# Altium PCB PCB.PcbDoc (part 2 of 4)
Units mm, origin at the board's own origin, x right, y up, seen from the top; angles counter-clockwise.
Board outline 90.6 x 67.8 mm, 6 copper layers (Component Side, GND, Inner Layer 1, V+, V-, Bottom Side), stack 1.613 mm thick; 412 components, 238 nets, 1293 pads, 391 vias.
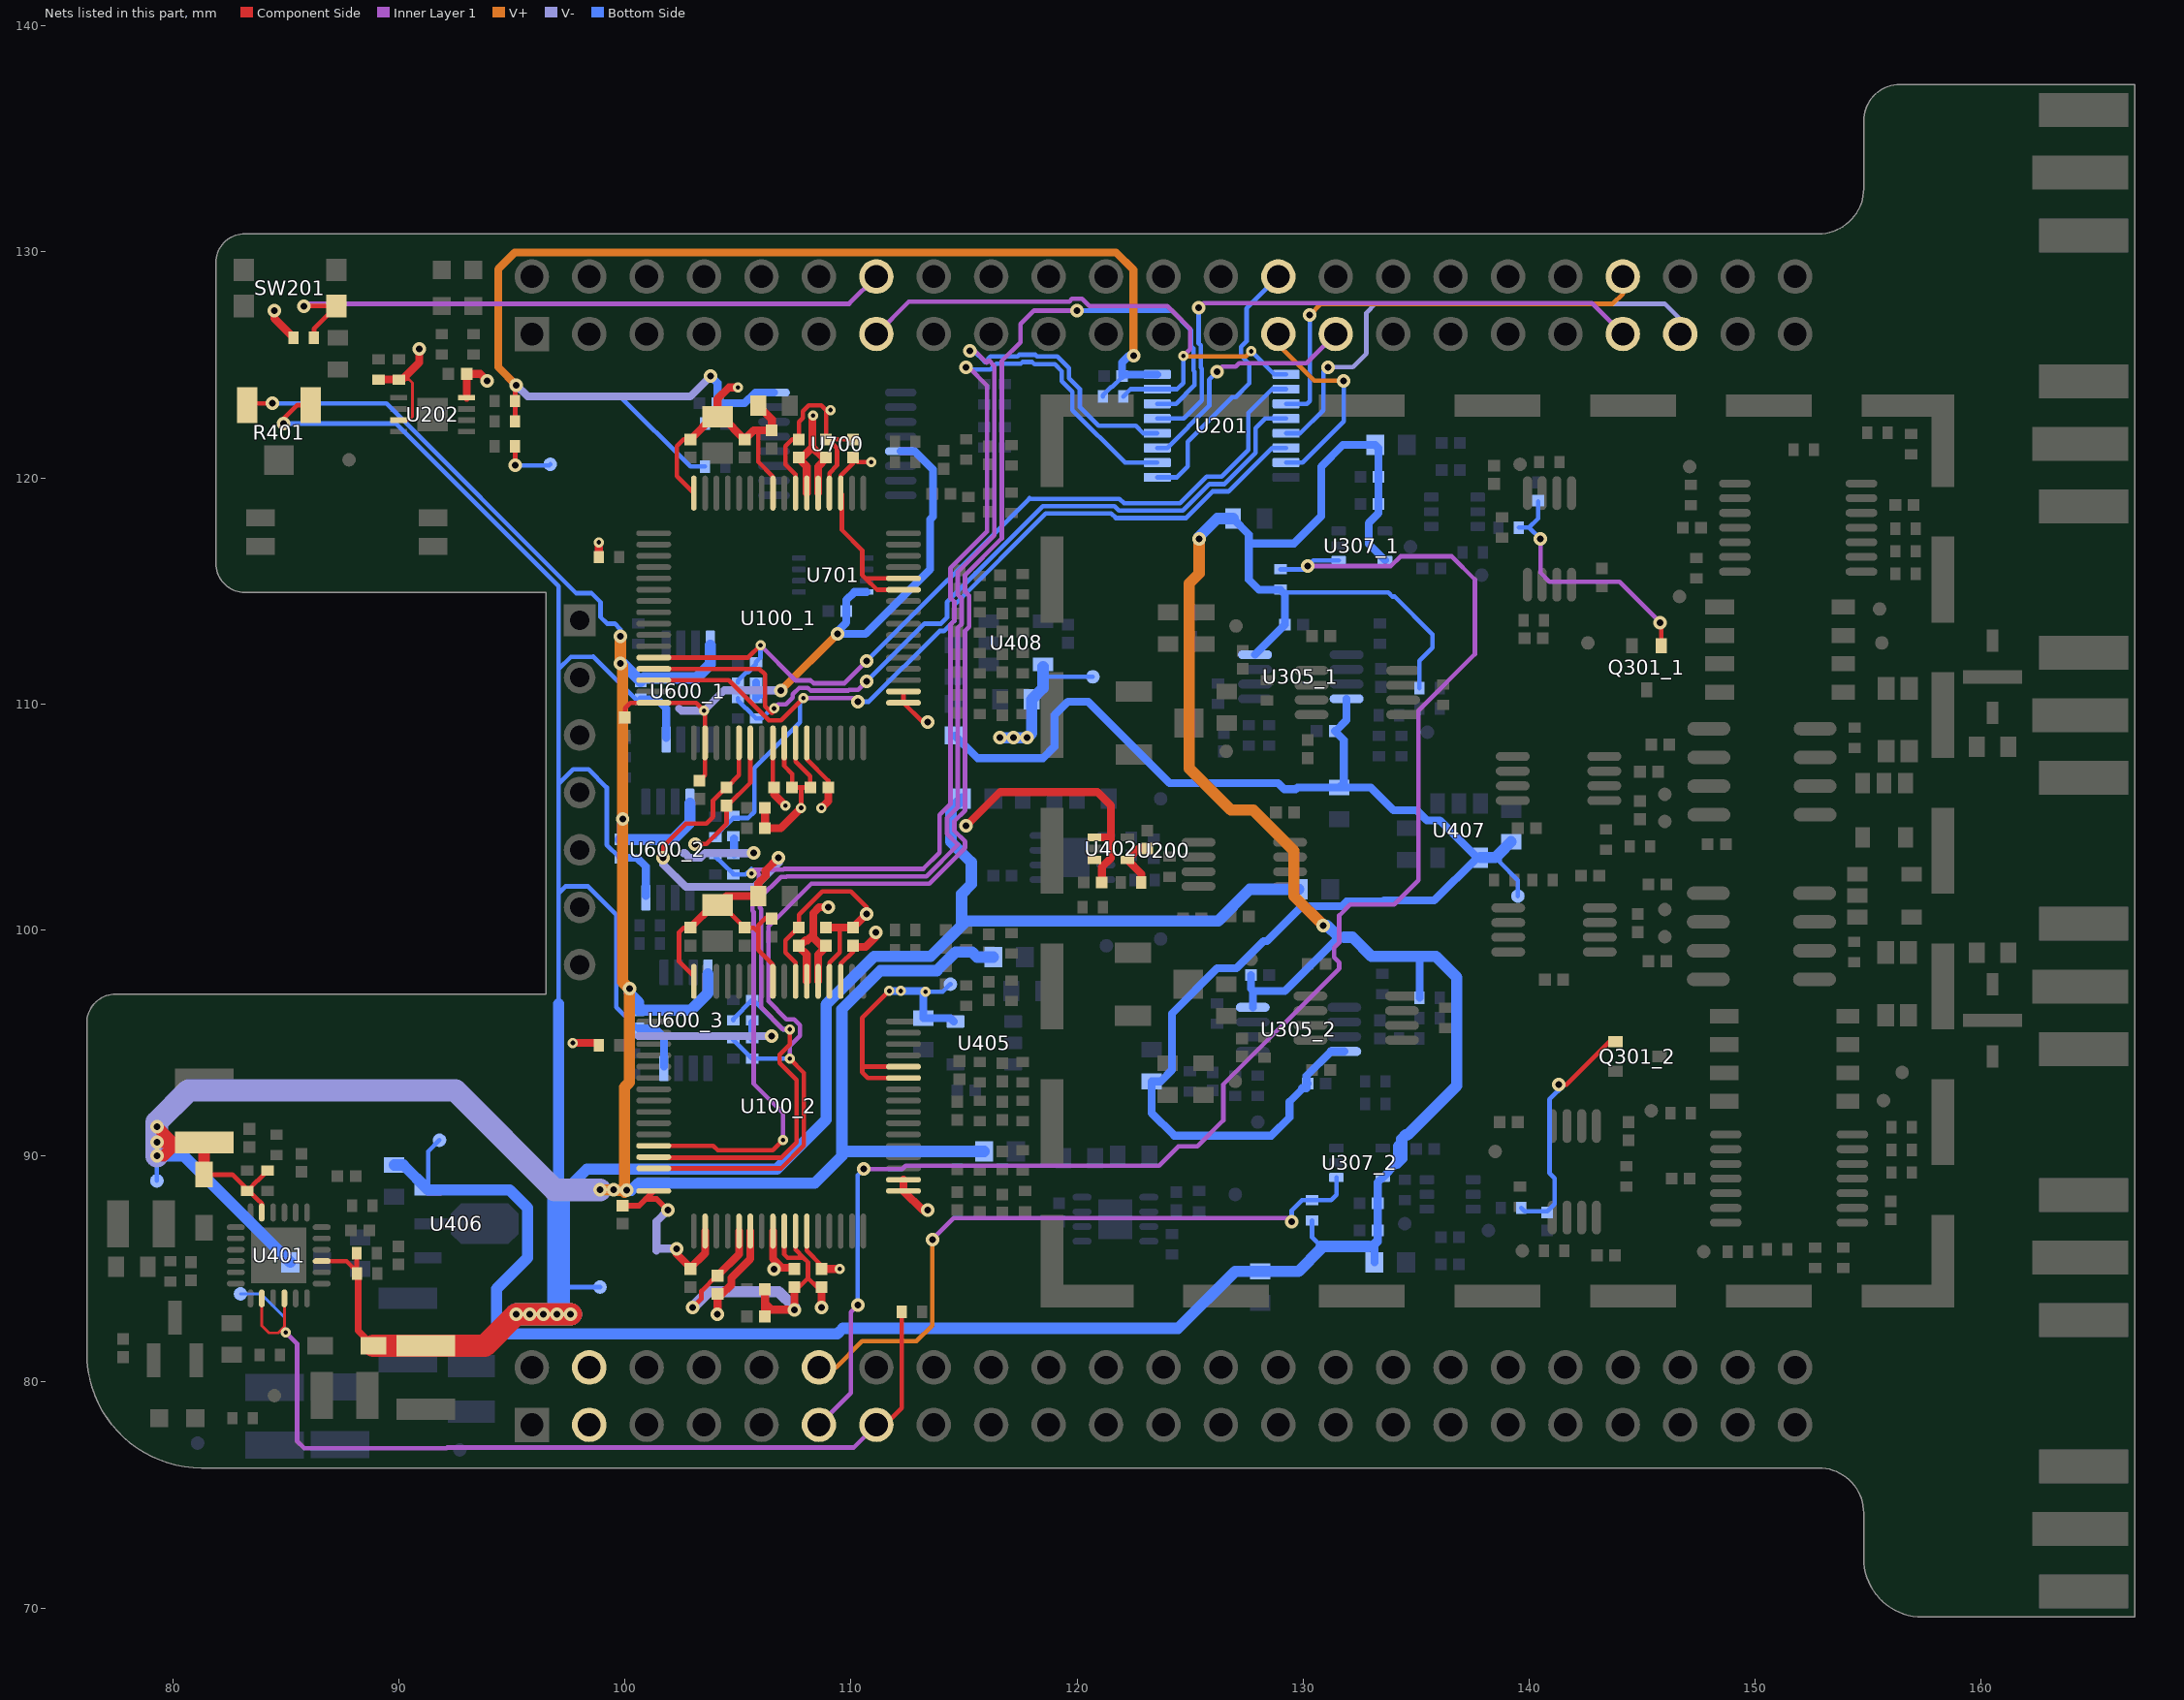
[diagram p6: the nets of this part, all layers, seen from the top]

## Footprints (in the part's own frame and the unit in brackets; to place one, negate y for a bottom-side part, rotate by r counter-clockwise, add the part's x,y. Pads: shape width x height; smd on the part's side, far side on the other; paste and mask are expansions set on the pad) (continued)
DRB8-1750X1500TP [mm] "SON, 8-Leads, Body 3x3mm, Pitch 0.65mm, Thermal Pad 1.75x1.5mm, TI Recommended"
  oval 0.85x0.3 smd paste-0.025 mask+0.07: 1(-1.475,0.975) 2(-1.475,0.325) 3(-1.475,-0.325) 4(-1.475,-0.975) 5(1.475,-0.975) 6(1.475,-0.325) 7(1.475,0.325) 8(1.475,0.975)
  rect 1.5x1.75 smd paste-0.65 mask+0.07: 9(0,0)
  Component Side region: -0.465,-1.9 -0.465,-0.875 -0.75,-0.875 -0.75,0.875 -0.465,0.875 -0.465,1.9 -0.185,1.9 -0.185,0.875 0.185,0.875 0.185,1.9 0.465,1.9 0.465,0.875 0.75,0.875 0.75,-0.875 0.465,-0.875 0.465,-1.9 0.185,-1.9 0.185,-0.875 -0.185,-0.875 -0.185,-1.9
  silkscreen extent -2.17,-1.73 1.73,1.77, body extent -1.57,-1.57 1.58,1.58, height 1
INDC0603(1608)_L [mm] "Chip Inductor, 0603(1608), IPC High Density"
  rect 0.8x0.9 smd: 1(-0.7,0) 2(0.7,0)
  silkscreen extent -0.13,-0.5 0.13,0.5, body extent -0.9,-0.5 0.9,0.5, height 0.8
INDC2520X10L [mm] "Chip Inductor, 2-Leads, Body 2.50x2.00mm, IPC High Density"
  rect 0.98x2.08 smd: 1(-1.01,0) 2(1.01,0)
  silkscreen extent -0.15,-0.94 0.15,0.94, body extent -1.33,-1.07 1.32,1.08, height 1
INF-PG-SOT-323_L [mm] "SOT3, 3-Leads, Body 2x1.25mm, Pitch 0.65mm, IPC High Density"
  rect 0.65x0.5 smd: 1(-0.975,0.65) 2(-0.975,-0.65) 3(0.975,0)
  silkscreen extent -1.1,-1.1 0.67,1.58, body extent -0.67,-1.1 0.67,1.1, height 1
"KRM 2 Series" [mm] "Tactile Switch SPST-NO Top Actuated Surface Mount"
  rect 0.9x1 smd: 1(-2.05,0.8) 2(2.05,0.8) 3(-2.05,-0.8) 4(2.05,-0.8)
  silkscreen extent -1.1,-1.5 1.1,1.5, body extent -2.3,-1.5 2.3,1.5, height 2.11
LT-UF-24_L [mm] "QFN, 24-Leads, Body 4x4mm, Pitch 0.5mm, Thermal Pad 2.45x2.45mm, IPC High Density"
  oval 0.8x0.25 smd: 1(-1.9,1.25) 2(-1.9,0.75) 3(-1.9,0.25) 4(-1.9,-0.25) 5(-1.9,-0.75) 6(-1.9,-1.25) 13(1.9,-1.25) 14(1.9,-0.75) 15(1.9,-0.25) 16(1.9,0.25) 17(1.9,0.75) 18(1.9,1.25)
  oval 0.25x0.8 smd: 7(-1.25,-1.9) 8(-0.75,-1.9) 9(-0.25,-1.9) 10(0.25,-1.9) 11(0.75,-1.9) 12(1.25,-1.9) 19(1.25,1.9) 20(0.75,1.9) 21(0.25,1.9) 22(-0.25,1.9) 23(-0.75,1.9) 24(-1.25,1.9)
  rect 2.45x2.45 smd: 25(0,0)
  silkscreen extent -2.71,-2.2 2.2,2.2, body extent -2.05,-2.05 2.05,2.05, height 0.8
M08A_L [mm] "SOIC, 8-Leads, Body 4.9x3.9mm, Pitch 1.27mm, IPC High Density"
  oval 1.9x0.6 smd: 1(-2.35,1.905) 2(-2.35,0.635) 3(-2.35,-0.635) 4(-2.35,-1.905) 5(2.35,-1.905) 6(2.35,-0.635) 7(2.35,0.635) 8(2.35,1.905)
  silkscreen extent -2.48,-2.5 1,2.88, body extent -2,-2.5 2,2.5, height 1.75
Pad-0.6mm [mm] "SMT Test Pad"
  round 0.6 smd paste-5: 1(0,0)
PowerPAK_SO-8_V [mm] "PowerPAK SO-8, 8-Leads, Body 6.15x5.15mm, Pitch 1.25mm"
  rect 1.27x0.66 smd: 1(-2.67,1.88) 2(-2.67,0.627) 3(-2.67,-0.627) 4(-2.67,-1.88)
  rect 1.02x0.66 smd: 5(2.795,-1.88) 6(2.795,-0.627) 7(2.795,0.627) 8(2.795,1.88)
  Component Side region: -1.215,-1.955 2.595,-1.955 2.595,1.955 -1.215,1.955
  silkscreen extent -3.97,-2.58 1.61,2.57, body extent -3.07,-2.57 3.08,2.58, height 1.04
PW0016A_L [mm] "SOP, 16-Leads, Body 5.1x4.5mm, Pitch 0.65mm, IPC High Density"
  rrect25% 1.2x0.4 smd: 1(-2.85,2.275) 2(-2.85,1.625) 3(-2.85,0.975) 4(-2.85,0.325) 5(-2.85,-0.325) 6(-2.85,-0.975) 7(-2.85,-1.625) 8(-2.85,-2.275) 9(2.85,-2.275) 10(2.85,-1.625) 11(2.85,-0.975) 12(2.85,-0.325) 13(2.85,0.325) 14(2.85,0.975) 15(2.85,1.625) 16(2.85,2.275)
  silkscreen extent -4.13,-2.55 1.85,2.55, body extent -3.21,-2.5 3.21,2.5, height 1
QFP50P1000X1000X120_HS-64L [mm] "QFP, 64-Leads, Body 10x10mm, Pitch 0.5mm, IPC High Density"
  oval 1.55x0.25 smd: 1(-5.525,3.75) 2(-5.525,3.25) 3(-5.525,2.75) 4(-5.525,2.25) 5(-5.525,1.75) 6(-5.525,1.25) 7(-5.525,0.75) 8(-5.525,0.25) 9(-5.525,-0.25) 10(-5.525,-0.75) 11(-5.525,-1.25) 12(-5.525,-1.75) 13(-5.525,-2.25) 14(-5.525,-2.75) 15(-5.525,-3.25) 16(-5.525,-3.75) 33(5.525,-3.75) 34(5.525,-3.25) 35(5.525,-2.75) 36(5.525,-2.25) 37(5.525,-1.75) 38(5.525,-1.25) 39(5.525,-0.75) 40(5.525,-0.25) 41(5.525,0.25) 42(5.525,0.75) 43(5.525,1.25) 44(5.525,1.75) 45(5.525,2.25) 46(5.525,2.75) 47(5.525,3.25) 48(5.525,3.75)
  oval 0.25x1.55 smd: 17(-3.75,-5.525) 18(-3.25,-5.525) 19(-2.75,-5.525) 20(-2.25,-5.525) 21(-1.75,-5.525) 22(-1.25,-5.525) 23(-0.75,-5.525) 24(-0.25,-5.525) 25(0.25,-5.525) 26(0.75,-5.525) 27(1.25,-5.525) 28(1.75,-5.525) 29(2.25,-5.525) 30(2.75,-5.525) 31(3.25,-5.525) 32(3.75,-5.525) 49(3.75,5.525) 50(3.25,5.525) 51(2.75,5.525) 52(2.25,5.525) 53(1.75,5.525) 54(1.25,5.525) 55(0.75,5.525) 56(0.25,5.525) 57(-0.25,5.525) 58(-0.75,5.525) 59(-1.25,5.525) 60(-1.75,5.525) 61(-2.25,5.525) 62(-2.75,5.525) 63(-3.25,5.525) 64(-3.75,5.525)
  silkscreen extent -5.65,-4.35 4.35,4.55, body extent -5,-5 5,5, height 1.2
RESC0402(1005)_L [mm] "Chip Resistor, Body 1.0x0.5mm, IPC High Density"
  rect 0.45x0.55 smd: 1(-0.45,0) 2(0.45,0)
  body extent -0.52,-0.27 0.53,0.28, height 0.4
RESC0603(1608)_L [mm] "Chip Resistor, Body 1.6x0.8mm, IPC High Density"
  rect 0.7x0.9 smd: 1(-0.7,0) 2(0.7,0)
  silkscreen extent -0.05,-0.35 0.05,0.35, body extent -0.85,-0.47 0.85,0.47, height 0.6
SOT89_L [mm] "SOT89, 3-Leads, Body 4.5x2.4 mm, Pitch 1.5mm, Lead Span 4.1mm, IPC High Density"
  rect 1.2x0.5 smd: 1(-1.8,1.5) 3(-1.8,-1.5)
  rect 1.6x0.5 smd: 2(-1.6,0)
  oct 3x1.8 smd: 2(0.7,0)
  silkscreen extent -2.07,-2.3 1.3,2.42, body extent -1.3,-2.3 1.29,2.3, height 1.6
SOT-23-TT3_N [mm] "SOT23, 3-Leads, Body 2.9x1.3mm, Pitch 0.95mm, Lead Span 2.4mm, IPC Medium Density"
  rect 1.5x0.6 smd: 1(-0.95,0.95) 2(-0.95,-0.95) 3(0.95,0)
  silkscreen extent -2.12,-1.55 0.7,1.82, body extent -0.7,-1.52 0.7,1.53, height 1.12
TI-DBV5_L [mm] "SOT23, 5-Leads, Body 2.9x1.6mm, Pitch 0.95mm, IPC High Density"
  rect 0.9x0.6 smd: 1(-1.2,0.95) 2(-1.2,0) 3(-1.2,-0.95) 4(1.2,-0.95) 5(1.2,0.95)
  silkscreen extent -1.32,-1.55 0.35,1.92, body extent -0.87,-1.52 0.87,1.53, height 1.45
TI-DRL5_L [mm] "SOT23, 5-Leads, Body 1.6x1.2mm, Pitch 0.5mm, IPC High Density"
  rect 0.6x0.35 smd: 1(-0.725,0.5) 2(-0.725,0) 3(-0.725,-0.5) 4(0.725,-0.5) 5(0.725,0.5)
  silkscreen extent -0.85,1.1 -0.6,1.35, body extent -0.65,-0.85 0.65,0.85, height 0.6
TSSOP-16_L [mm] "SOP, 16-Leads, Body 5x4.4mm, Pitch 0.65mm, IPC High Density"
  oval 1.4x0.35 smd: 1(-2.8,2.275) 2(-2.8,1.625) 3(-2.8,0.975) 4(-2.8,0.325) 5(-2.8,-0.325) 6(-2.8,-0.975) 7(-2.8,-1.625) 8(-2.8,-2.275) 9(2.8,-2.275) 10(2.8,-1.625) 11(2.8,-0.975) 12(2.8,-0.325) 13(2.8,0.325) 14(2.8,0.975) 15(2.8,1.625) 16(2.8,2.275)
  silkscreen extent -2.93,-2.55 1.7,3.12, body extent -2.25,-2.55 2.25,2.55, height 1.2
TSSOP-ST14_L [mm] "TSOP, 14-Leads, Body 5x4.4mm, Pitch 0.65mm, IPC High Density"
  oval 1.4x0.35 smd: 1(-2.8,1.95) 2(-2.8,1.3) 3(-2.8,0.65) 4(-2.8,0) 5(-2.8,-0.65) 6(-2.8,-1.3) 7(-2.8,-1.95) 8(2.8,-1.95) 9(2.8,-1.3) 10(2.8,-0.65) 11(2.8,0) 12(2.8,0.65) 13(2.8,1.3) 14(2.8,1.95)
  silkscreen extent -2.93,-2.55 1.7,2.8, body extent -2.25,-2.55 2.25,2.55, height 1.2
TSW-107-07-L-S [mm] "Conn Unshrouded Header HDR 7 POS 2.54mm Solder ST Thru-Hole"
  rect 1.4x1.4 hole 0.86: 1(0,7.62)
  round 1.4 hole 0.86: 2(0,5.08) 3(0,2.54) 4(0,0) 5(0,-2.54) 6(0,-5.08) 7(0,-7.62)
  silkscreen extent -1,-9 1.3,8.9, body extent -1.27,-9.02 1.27,8.89, height 8.38
UDFN-MU8 [mm] "SON, 8-Leads, Body 2x3mm, Pitch 0.5mm, Microchip Recommended"
  rect 0.75x0.25 smd: 1(-1.5,0.75) 2(-1.5,0.25) 3(-1.5,-0.25) 4(-1.5,-0.75) 5(1.5,-0.75) 6(1.5,-0.25) 7(1.5,0.25) 8(1.5,0.75)
  rect 1.36x1.46 smd: 9(0,0)
  silkscreen extent -2.45,0.75 -2.35,0.85, body extent -1.52,-1.02 1.52,1.02, height 0.55
WSK1206#1 [mm] "Vishay 4-pad 1206 Resistor"
  rect 1x0.762 smd: 1(-1.389,0.508) 2(1.389,0.508) 3(-1.389,-0.508) 4(1.389,-0.508)
  silkscreen extent -0.63,-0.89 0.64,0.89, body extent -1.6,-0.8 1.6,0.8, height 1
WSK1206#2 [mm] "Vishay 4-pad 1206 Resistor"
  rect 1x0.762 smd: 1(-1.389,-0.508) 2(1.389,-0.508) 3(-1.389,0.508) 4(1.389,0.508)
  silkscreen extent -0.63,-0.89 0.64,0.89, body extent -1.6,-0.8 1.6,0.8, height 1
Z5+1_L [mm] "SOT23, 5-Leads, Body 2.9x1.6mm, Pitch 0.95mm, Lead Span 2.8mm, IPC High Density"
  rect 0.9x0.65 smd: 1(-1.2,0.95) 2(-1.2,0) 3(-1.2,-0.95) 4(1.2,-0.95) 5(1.2,0.95)
  silkscreen extent -1.32,-1.5 0.35,1.95, body extent -0.82,-1.5 0.82,1.5, height 1.1

## Part data
C100_1 C100_2 C101_1 C101_2 C102_1 C102_2 C103_1 C103_2 C104_1 C104_2 C105_1 C105_2 C106_1 C106_2 C107_1 C107_2 C124_1 C124_2 C125_1 C125_2 C127_1 C127_2 C409: library part CMP-1034-02120-1, "CAP 1uF 16V ±20% 0402 (1005 Metric) Thickness 0.6mm SMD"
C108_1 C108_2 C109_1 C109_2 C110_1 C110_2 C111_1 C111_2 C113_1 C113_2 C114_1 C114_2 C115_1 C115_2 C116_1 C116_2 C117_1 C117_2 C118_1 C118_2 C120_1 C120_2 C121_1 C121_2 C321_1 C321_2 C324_1 C324_2: library part CMP-1034-01626-1, "CAP 1nF 50V ±5% 0402 (1005 Metric) Thickness 0.6mm SMD"
C122_1 C122_2 C126_1 C126_2 C200 C201 C300_1 C300_2 C301_1 C301_2 C302_1 C302_2 C303_1 C303_2 C304_1 C304_2 C305_1 C305_2 C306_1 C306_2 C307_1 C307_2 C315_1 C315_2 C316_1 C316_2 C320_1 C320_2 C322_1 C322_2 C400 C401 C403 C405 C407 C416 C425 C427 C500_1 C500_2 C501_1 C501_2 C600_1 C600_2 C600_3 C700 C701: library part CMP-1034-02071-1, "CAP 100nF 16V -20% to +80% 0402 (1005 Metric) Thickness 0.6mm SMD"
C123_1 C123_2 C308_1 C308_2 C309_1 C309_2 C317_1 C317_2 C318_1 C318_2 C319_1 C319_2 C402 C406 C417 C418 C419 C420 C421 C422 C426 C428 C431 C432 C433 C434 C437: library part CMP-1035-02800-1, "CAP 10uF 10V ±20% 0603 (1608 Metric) Thickness 1mm SMD"
C128_1 C128_2: library part CMP-1036-04938-1, "CAP 22uF 6.3V ±10% 0805 (2012 Metric) Thickness 1.45mm SMD"
C310_1 C310_2: library part CMP-1034-01741-1, "CAP 2.2nF 50V ±5% 0402 (1005 Metric) Thickness 0.6mm SMD"
C311_1 C311_2: library part CMP-1034-01500-1, "CAP 470pF 50V ±5% 0402 (1005 Metric) Thickness 0.6mm SMD"
C312_1 C312_2: library part CMP-1590-00004-1, "CAP 33nF 16V ±5%, 0402 (1005 Metric) Chip Capacitor"
C313_1 C313_2 C314_1 C314_2: library part CMP-1034-00724-1, "CAP 10pF 50V ±5% 0402 (1005 Metric) Thickness 0.6mm SMD"
C323_1 C323_2 C325_1 C325_2 C410 C423 C424 C429 C430: library part CMP-1034-01879-1, "CAP 10nF 25V ±5% 0402 (1005 Metric) Thickness 0.6mm SMD"
C404 C414 C415: library part CMP-1038-02296-1, "CAP 47uF 16V ±20% 1210 (3225 Metric) Thickness 2.8mm SMD"
C408: library part CMP-1034-02088-1, "CAP 220nF 10V -20% to +80% 0402 (1005 Metric) Thickness 0.6mm SMD"
C411: library part CMP-1034-01817-1, "CAP 4.7nF 50V ±20% 0402 (1005 Metric) Thickness 0.6mm SMD"
C412: library part CMP-1034-01275-1, "CAP 120pF 50V ±5% 0402 (1005 Metric) Thickness 0.6mm SMD"
C413: library part CMP-1034-01132-1, "CAP 56pF 50V ±5% 0402 (1005 Metric) Thickness 0.6mm SMD"
C435 C436: library part CMP-1590-00002-1, "CAP 100uF 10V ±20% 1210 (3225 Metric) SMD"
D300_1 D300_2: library part CMP-00093-1, "DIODE ARRAY SCHOTTKY 20V TSMD5"
D400 D401: library part CMP-00120-1, "DIODE SCHOTTKY 20V 350MA SOD323"
F300_1 F300_2: library part CMP-00099-1, "Fuse Chip Very Fast Acting 2.5A 32V SMD Solder Pad 0603"
J1: "Conn Unshrouded Header HDR 7 POS 2.54mm Solder ST Thru-Hole"
J300_1 J300_2 J500_1 J500_2 J501_1 J501_2: library part CMP-00231-1, "SMA FEMALE PCB EDGE MOUNT"
L300_1 L300_2 L403 L404 L405 L406 L407 L408: library part CMP-00229-1, "FIXED IND 1.5UH 50MA 700 MOHM"
L400 L401 L402: library part CMP-00119-1, "FIXED IND 4.7UH 1A 110 MOHM SMD"
LED200 LED201: library part CMP-1426-00003-1, "SMD mono-color Chip LED, WL-SMCW, Blue"
LED202: library part CMP-1426-00001-1, "SMD mono-color Chip LED, WL-SMCW, Red"
Q300_1 Q300_2: library part CMP-00221-1, "MOSFET N-CH 30V 65A 8SON"
Q301_1 Q301_2: library part CMP-1149-00041-1, "N-Channel OptiMOS 2 Small-Signal-Transistor, 20 V VDS, 1.5 A ID, -55 to 150 degC, PG-SOT-323, Reel, Green"
Q400: library part CMP-00292-1, "MOSFET P-CH 20V 3.7A SOT23-3"
R100_1 R100_2 R101_1 R101_2 R103_1 R103_2 R104_1 R104_2 R105_1 R105_2 R106_1 R106_2 R107_1 R107_2 R108_1 R108_2 R110_1 R110_2 R111_1 R111_2 R112_1 R112_2 R113_1 R113_2: library part CMP-1011-00586-1, "4K7 0.063W 1% 0402 (1005 Metric)  SMD"
R114_1 R114_2 R115_1 R115_2 R116_1 R116_2 R205 R303_1 R303_2 R304_1 R304_2 R313_1 R313_2 R318_1 R318_2 R319_1 R319_2 R404 R407 R409 R410 R500_1 R500_2 R501_1 R501_2 R502_1 R502_2 R503_1 R503_2 R604_1 R604_2 R604_3 R605_1 R605_2 R605_3: library part CMP-1011-00623-1, "10K 0.063W 1% 0402 (1005 Metric)  SMD"
R200 R206 R314_1 R314_2 R416: library part CMP-1011-00510-1, "1K 0.063W 1% 0402 (1005 Metric)  SMD"
R201 R202: library part CMP-1011-00092-1, "5K6 0.063W 5% 0402 (1005 Metric)  SMD"
R203 R204 R209 R315_1 R315_2 R316_1 R316_2 R320_1 R320_2 R600_1 R600_2 R600_3 R602_1 R602_2 R602_3 R700 R701 R704 R705: library part CMP-1011-00736-1, "100K 0.063W 1% 0402 (1005 Metric)  SMD"
R207: library part CMP-1011-00062-1, "330R 0.063W 5% 0402 (1005 Metric)  SMD"
R208: library part CMP-1011-00072-1, "820R 0.063W 5% 0402 (1005 Metric)  SMD"
R300_1 R300_2: library part CMP-00094-1, "RES SMD 0.05 OHM 1% 1/4W 1206"
R301_1 R301_2: library part CMP-1591-00004-1, "133R, 25ppm/°C, 0402 (1005 Metric) Chip Resistor"
R302_1 R302_2: library part CMP-1591-00004-1, "680R, 25ppm/°C 0402 (1005 Metric) Chip Resistor"
R305_1 R305_2 R306_1 R306_2 R504_1 R504_2 R505_1 R505_2: library part CMP-1591-00004-1, "10K, 25ppm/°C 0402 (1005 Metric) Chip Resistor"
R307_1 R307_2: library part CMP-1011-00383-1, "75R 0.063W 1% 0402 (1005 Metric)  SMD"
R308_1 R308_2: library part CMP-1011-00001-1, "12R 0.063W 1% 0402 (1005 Metric)  SMD"
R309_1 R309_2: library part CMP-1011-00704-1, "51K1 0.063W 1% 0402 (1005 Metric)  SMD"
R310_1 R310_2: library part CMP-1011-00633-1, "12K4 0.063W 1% 0402 (1005 Metric)  SMD"
R311_1 R311_2: library part CMP-1011-00629-1, "11K5 0.063W 1% 0402 (1005 Metric)  SMD"
R312_1 R312_2: library part CMP-1011-00711-1, "60K4 0.063W 1% 0402 (1005 Metric)  SMD"
R317_1 R317_2: library part CMP-00121-2, "TRIMMER 10K OHM 0.125W SMD"
R321_1 R321_2 R322_1 R322_2: library part CMP-1011-00302-1, "15R 0.063W 1% 0402 (1005 Metric)  SMD"
R400: library part CMP-1011-00397-1, "100R 0.063W 1% 0402 (1005 Metric)  SMD"
R401: library part CMP-00227-2, "TRIMMER 500K OHM 0.125W SMD"
R402: library part CMP-1011-00656-1, "20K5 0.063W 1% 0402 (1005 Metric)  SMD"
R403 R405: library part CMP-1011-00742-1, "115K 0.063W 1% 0402 (1005 Metric)  SMD"
R406 R414: library part CMP-1011-00666-1, "24K9 0.063W 1% 0402 (1005 Metric)  SMD"
R408: library part CMP-1011-00576-1, "3K9 0.063W 1% 0402 (1005 Metric)  SMD"
R411: library part CMP-1011-00624-1, "10K2 0.063W 1% 0402 (1005 Metric)  SMD"
R412: library part CMP-1011-00692-1, "41K2 0.063W 1% 0402 (1005 Metric)  SMD"
R413: library part CMP-1011-00737-1, "102K 0.063W 1% 0402 (1005 Metric)  SMD"
R415: library part CMP-1011-00670-1, "27K 0.063W 1% 0402 (1005 Metric)  SMD"
R506_1 R506_2 R507_1 R507_2: library part CMP-1591-00004-1, "3K9, 25ppm/°C, 0402 (1005 Metric) Chip Resistor"
R601_1 R601_2 R601_3 R603_1 R603_2 R603_3: library part CMP-1011-00769-1, "205K 0.063W 1% 0402 (1005 Metric)  SMD"
R702 R703: library part CMP-1011-00129-1, "200K 0.063W 5% 0402 (1005 Metric)  SMD"
S1: library part CMP-00123-4, "EMI Connector Gaskets & Grounding Pads BLS,2PSH,FRM,SnSat .276x1.559x1.559in"
SW200: library part CMP-00125-1, "Switch DIP ON OFF SPST 2 Recessed Slide 0.025A 24VDC Gull Wing 1.27mm SMD"
SW201: library part CMP-00230-1, "SWITCH TACTILE SPST-NO 0.05A 32V"
TP300_1 TP300_2 TP301_1 TP301_2 TP302_1 TP302_2 TP303_1 TP303_2 TP304_1 TP304_2 TP305_1 TP305_2 TP306_1 TP306_2 TP307_1 TP307_2 TP308_1 TP308_2 TP309_1 TP309_2 TP310_1 TP310_2 TP400 TP401 TP402 TP403 TP404 TP405 TP406 TP407 TP408 TP409 TP410 TP411 TP412 TP413 TP414 TP415 TP500_1 TP500_2 TP501_1 TP501_2: library part CMP-00224-2, "0.6mm SMT Test Pad"
U100_1 U100_2: library part CMP-00105-1, "Analog to Digital Converters - ADC 8-Channel, 24-Bit, AFE"
U200: library part CMP-00111-2
U201: library part CMP-0440-01132-3, "CMOS Hex Non-Inverting Buffer with 3-State Outputs, PW0016A, TUBE"
U202: library part CMP-00107-1, "IC EEPROM 256KBIT 400KHZ 8UDFN"
U300_1 U300_2: library part CMP-00228-1, "LC (T-Type) EMI Filter 3rd Order Low Pass 1 Channel C = 47pF 6A 1206 (3216 Metric), 3 PC Pad"
U301_1 U301_2: library part CMP-00086-1, "Instrumentation Amplifier 3nV/Hz Low Power"
U302_1 U302_2 U303_1 U303_2 U400: library part CMP-00103-1, "SP Amp Zero Drift Amplifier Dual R-R I/O ±27.5V/55V 8-Pin MSOP"
U304_1 U304_2: library part CMP-00122-1, "Instrument Amplifier, 1, 60 V, 35 V/ s, 10 MHz, 5V to 36V, MSOP"
U305_1 U305_2: library part CMP-00089-1, "Analog Comparators Dual 2.2V to 36V microPwr Comparator"
U306_1 U306_2: library part CMP-0859-00454-3, "Dual Schmitt-Trigger Inverter, DCK0006A, LARGE T&R"
U307_1 U307_2: library part CMP-0859-00300-3, "Single 2-Input Positive-NAND Gate, DCK0005A, LARGE T&R"
U401: library part CMP-00108-2, "Conv DC-DC Dual Inv/Step Up 2.7V to 5.5V 24-Pin VQFN EP"
U402: library part CMP-00117-2, "IC REG LDO 1.2V 0.2A ESV"
U403: library part CMP-00109-1, "LDO Voltage Regulators Vin -3V to -36V, -200mA, Ultra-Low Noise, High PSRR, Low-Dropout Linear Regulator 8-SON"
U404: library part CMP-00110-1, "LDO Voltage Regulators Vin 3V to 36V, 150mA, Ultra-Low Noise, High PSRR, Low-Dropout Linear Regulator 8-SON"
U405: library part CMP-0758-00027-2, "Single Output Low Noise LDO, 150 mA, Fixed 2.5 V Output, 1.5% Tolerance, 2.2 to 16 V Input, Low IQ, 5-Pin SOT-23 (DBV), -40 to 125 degC, Green (RoHS & no Sb/Br), Tape and Reel"
U406: library part CMP-00226-1, "IC REG LDO Linear Voltage Regulator Positive Fixed 1 Output 5V 150mA SOT-89-3"
U407: library part CMP-00219-1, "IC REG LDO Linear Voltage Regulator Negative Fixed 1 Output -5V 100mA SOT-23-5"
U408: library part CMP-0394-00283-1, "Single Output High PSRR LDO, 200 mA, Fixed -2.5 V Output, -10 to -2.7 V Input, 5-pin SOT-23 (DBV), -40 to 125 degC, Green (RoHS & no Sb/Br)"
U500_1 U500_2: library part CMP-00106-1, "Precision, Rail-to-Rail Input/Output, Low Offset Voltage, Low Input Bias Current Op Amp with e-trim"
U600_1 U600_2 U600_3: library part CMP-0055-01401-3, "Dual Micro-Power Rail-to-Rail Input CMOS Comparator with Open Drain Output, 8-pin Mini SOIC, Pb-Free"
U700: library part CMP-00223-2, "IC NOR R/S LTCH 3ST QUAD 16TSSOP"
U701: library part CMP-0859-00721-3, "Low-Power Dual 2-Input Positive-OR Gate, DCU0008A, LARGE T&R"